# Altium PCB STM32_PLC.PcbDoc (part 1 of 3)
Units mm, origin at the board's own origin, x right, y up, seen from the top; angles counter-clockwise.
Board outline 150 x 150 mm, 4 copper layers ([L1] TOP, [L2] GND, [L3] POWER, [L4] BOTTOM), stack 1.58 mm thick; 307 components, 251 nets, 964 pads, 318 vias.
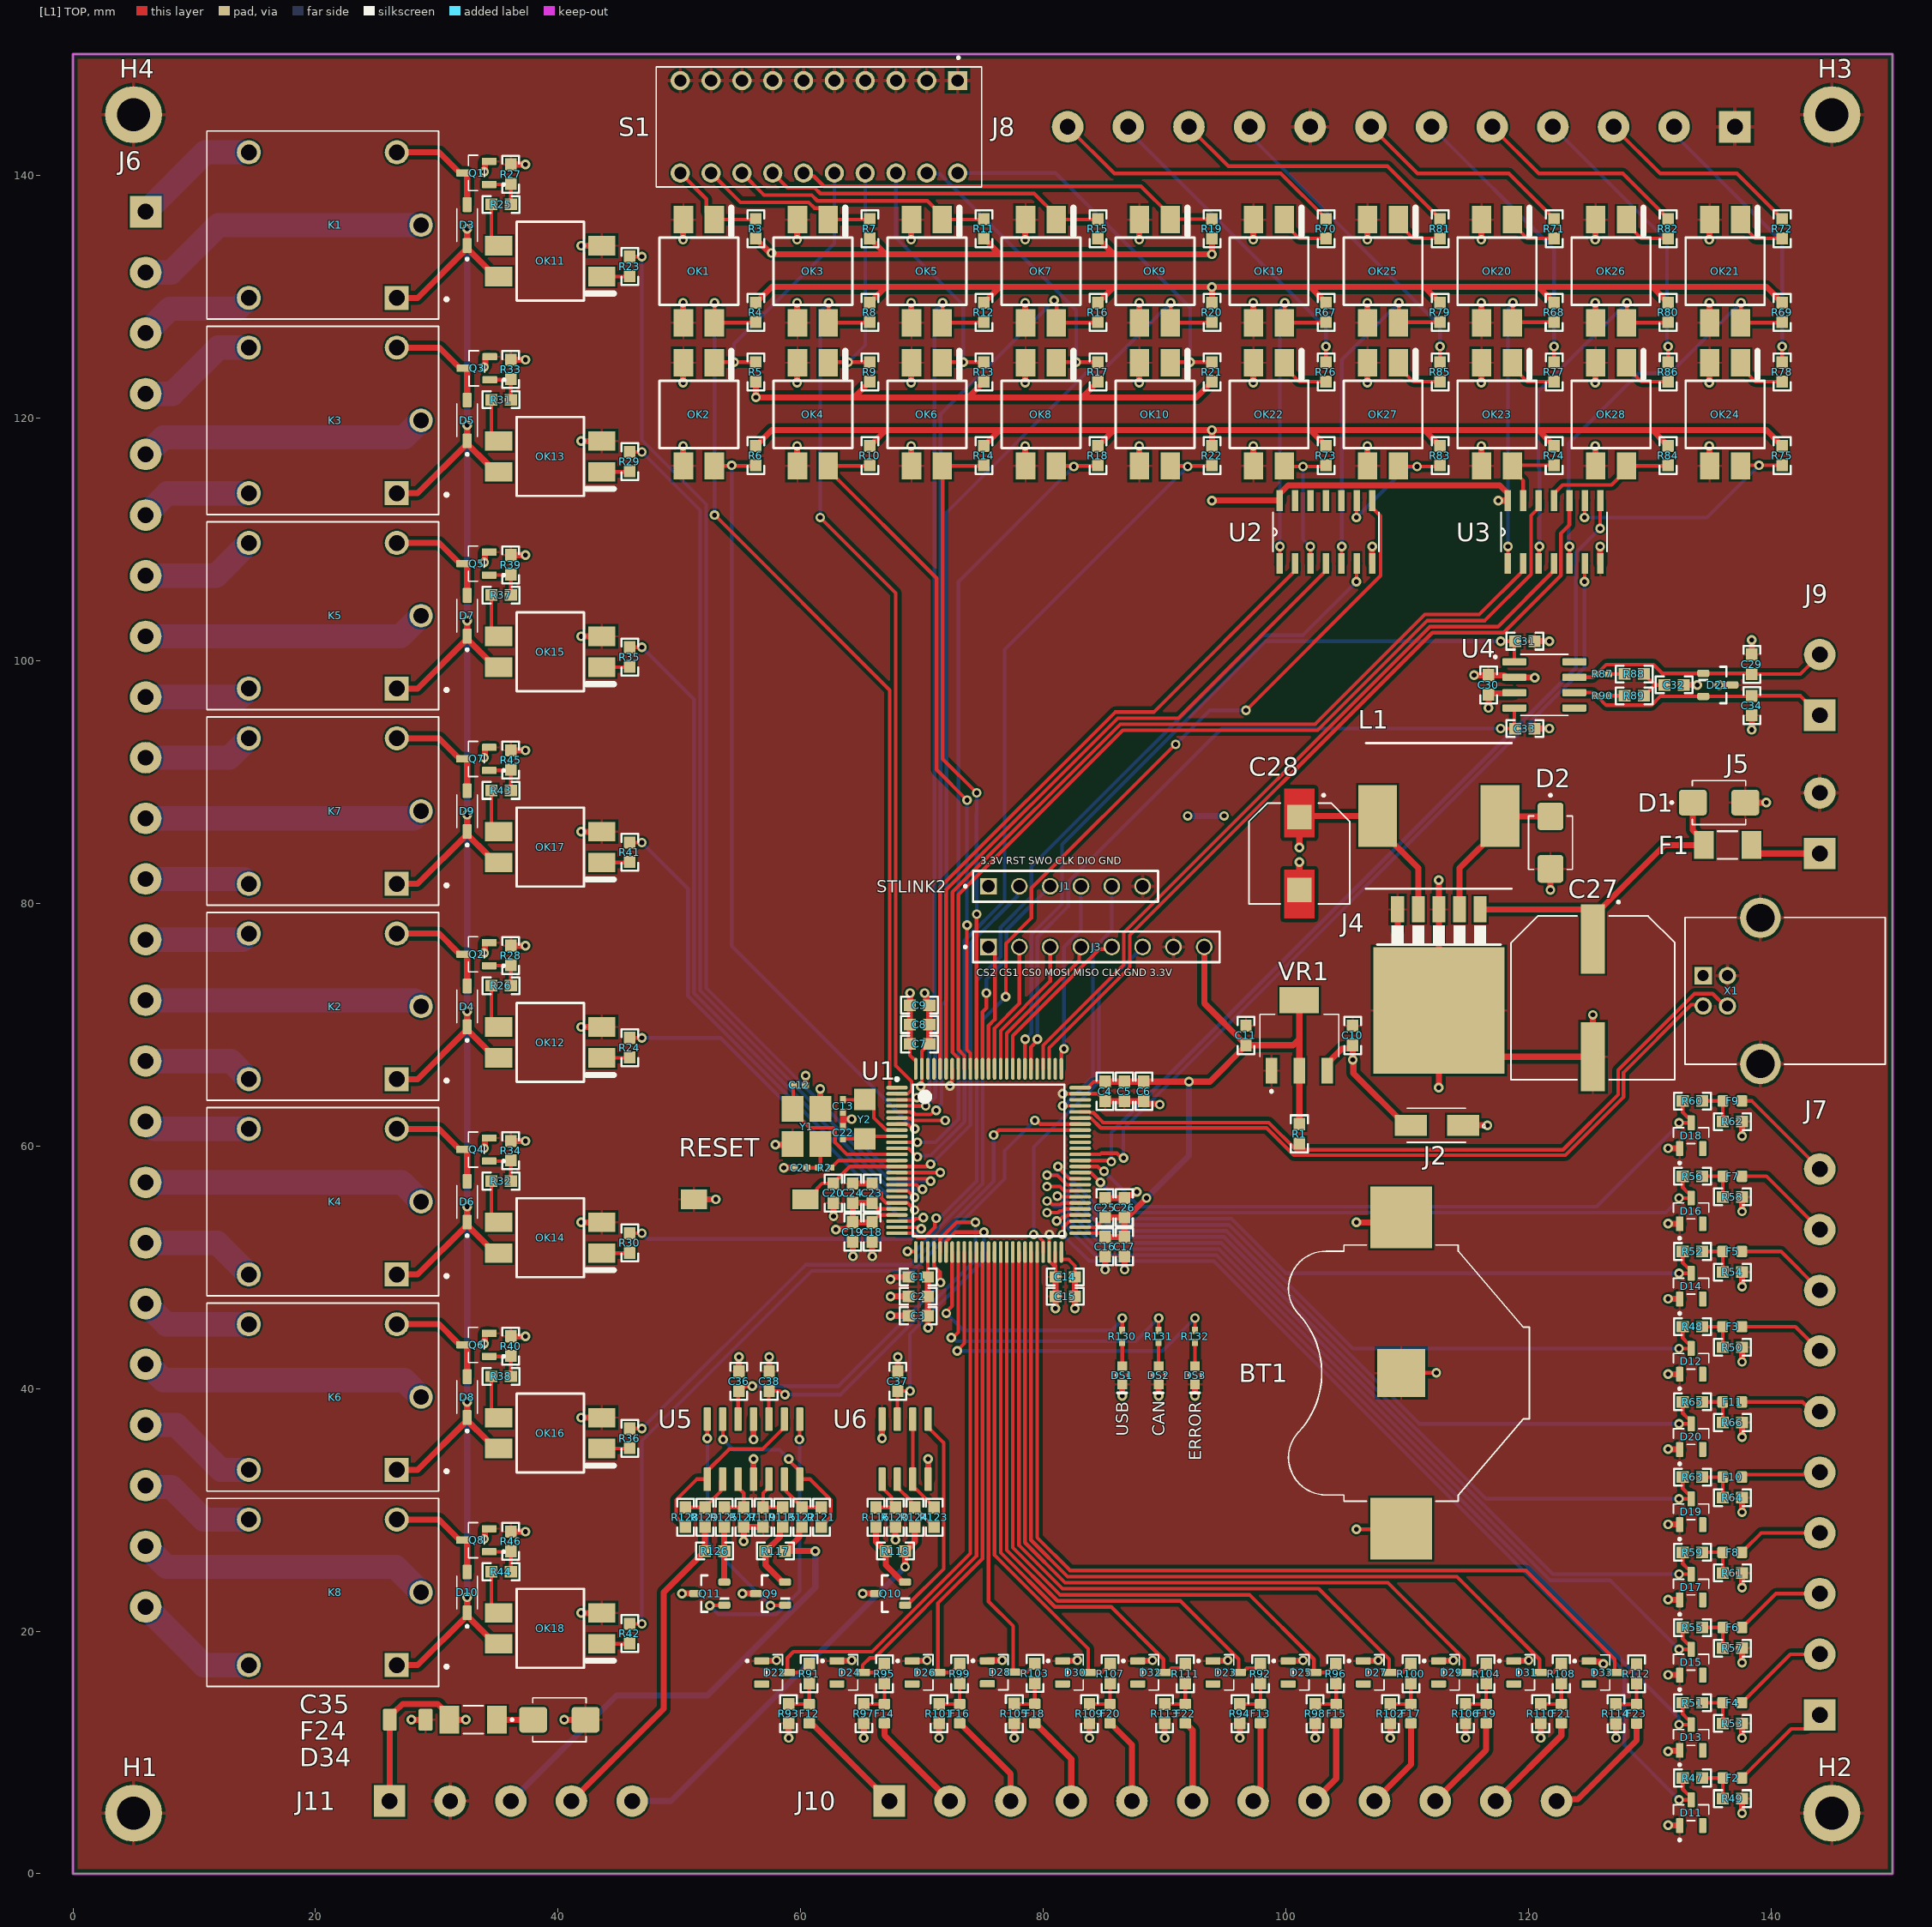
[diagram p0: [L1] TOP view]
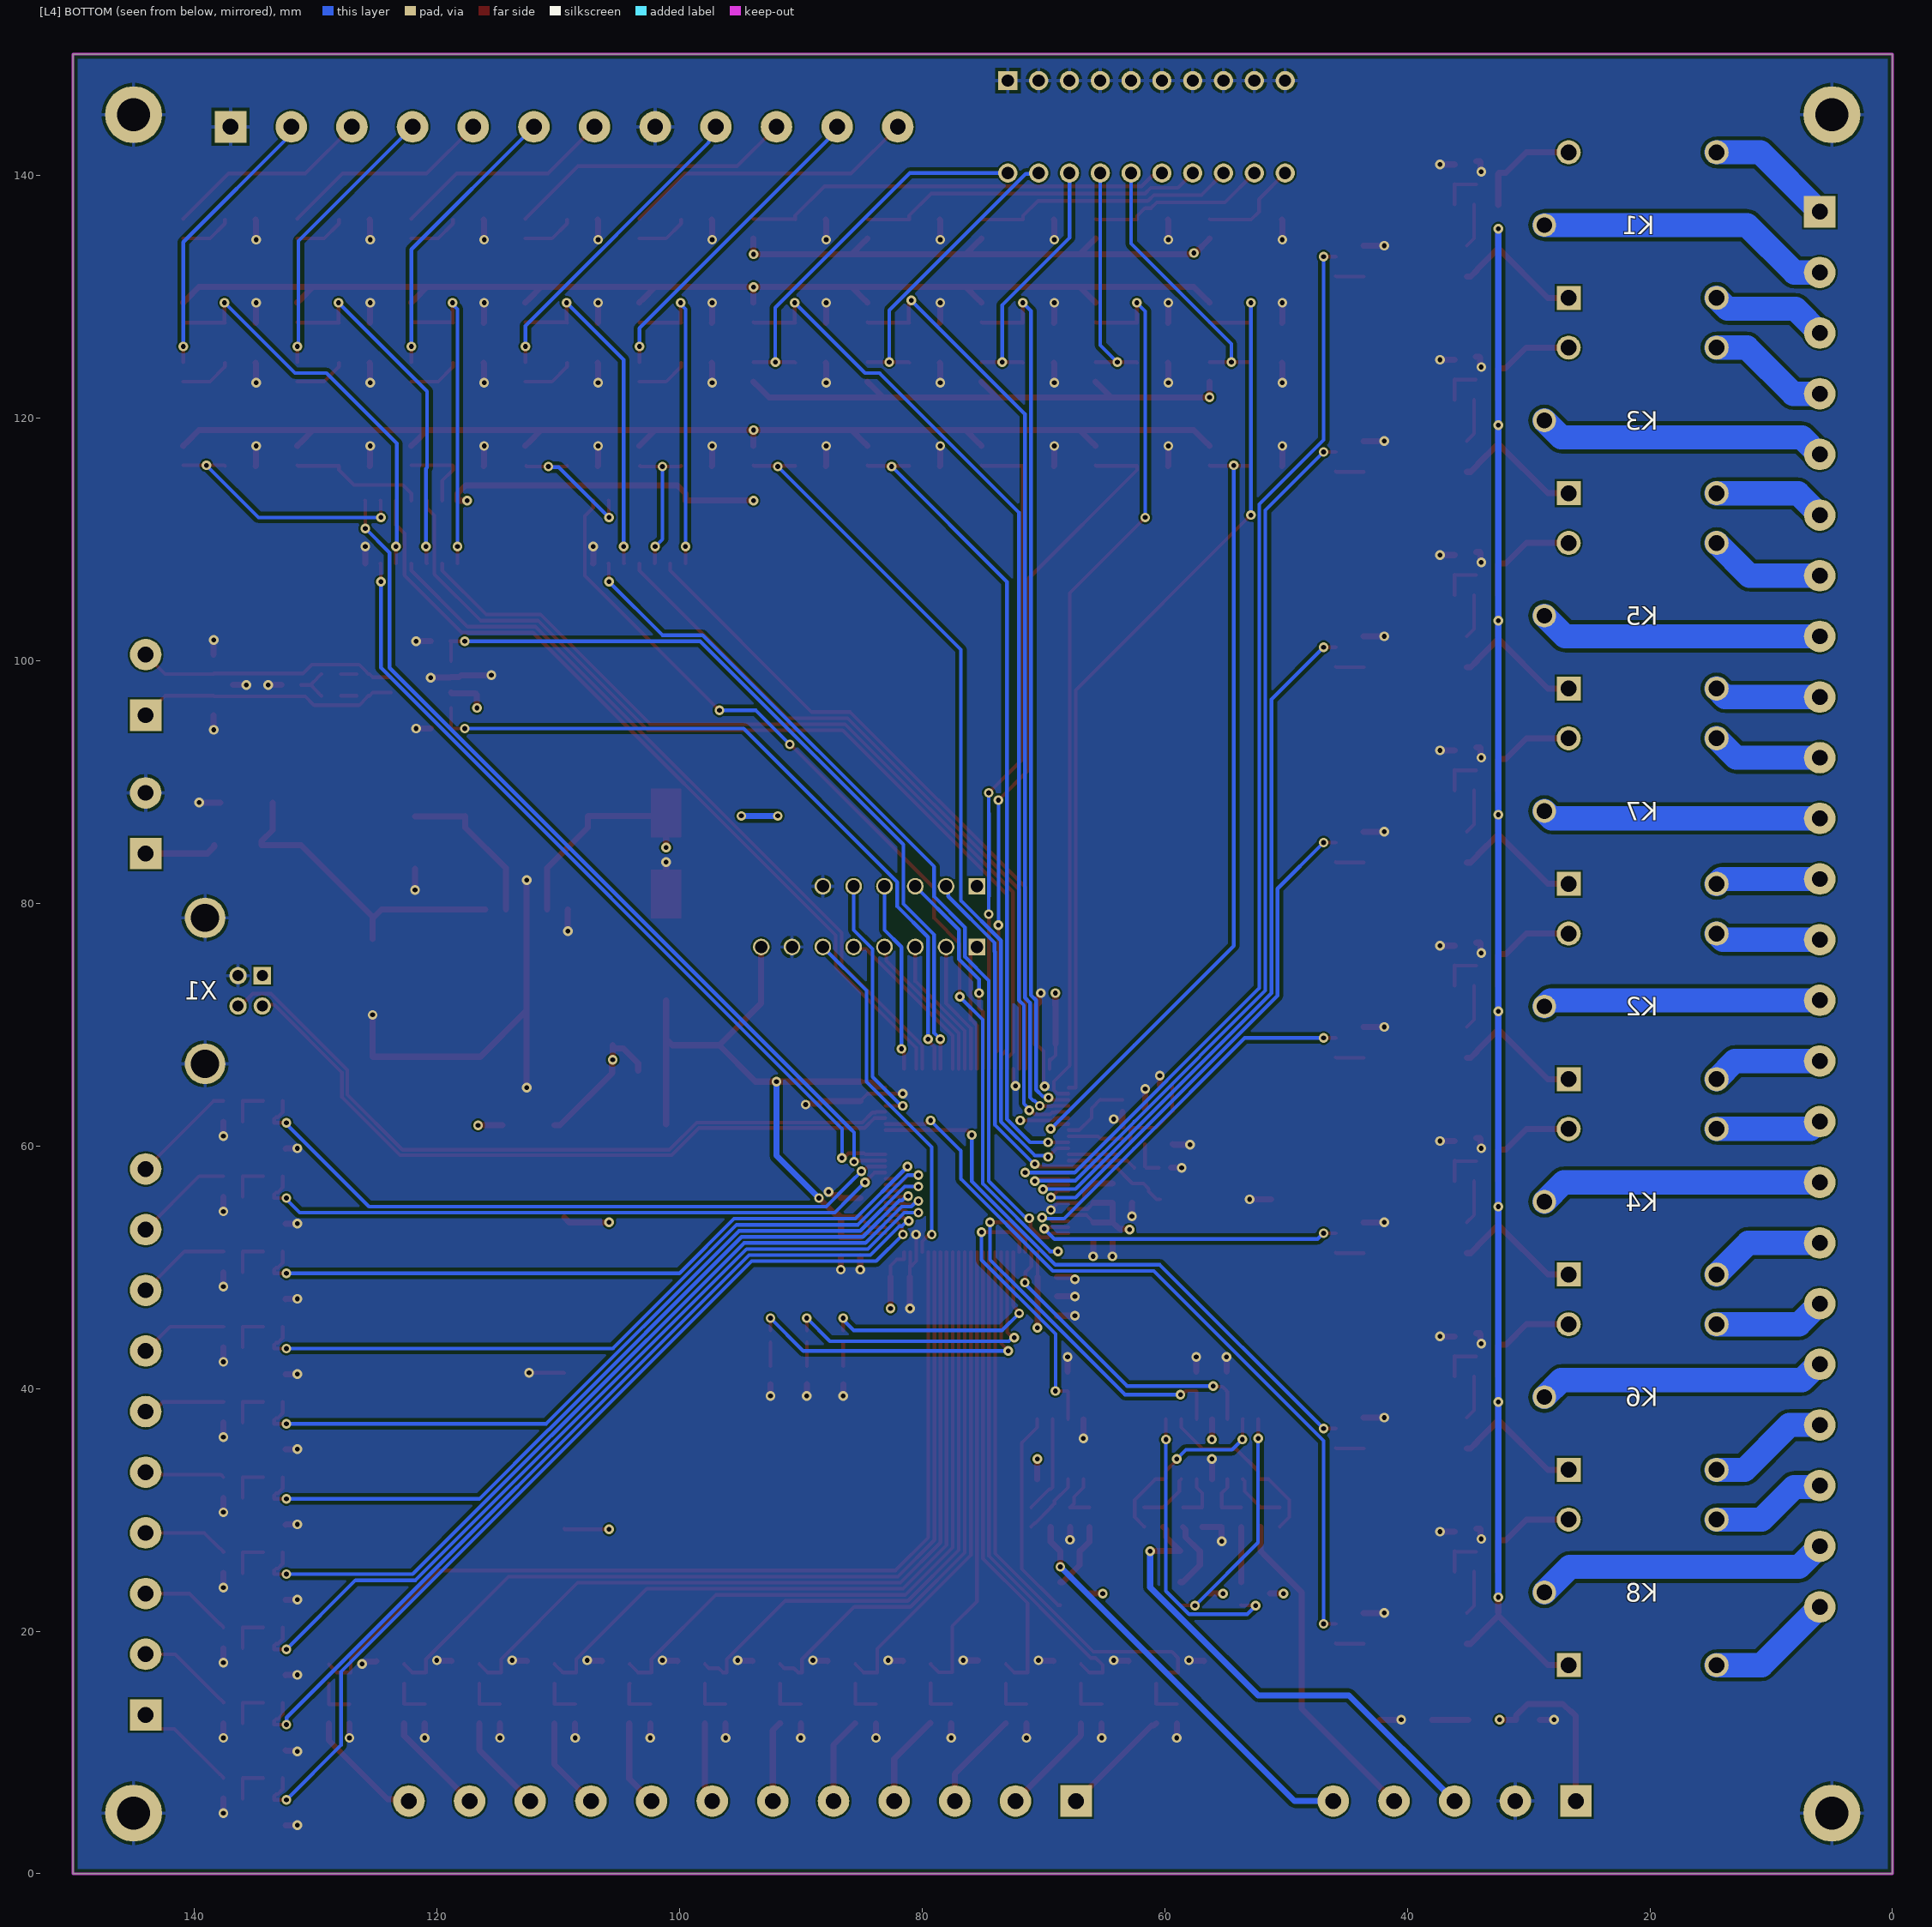
[diagram p1: [L4] BOTTOM view, seen from below]
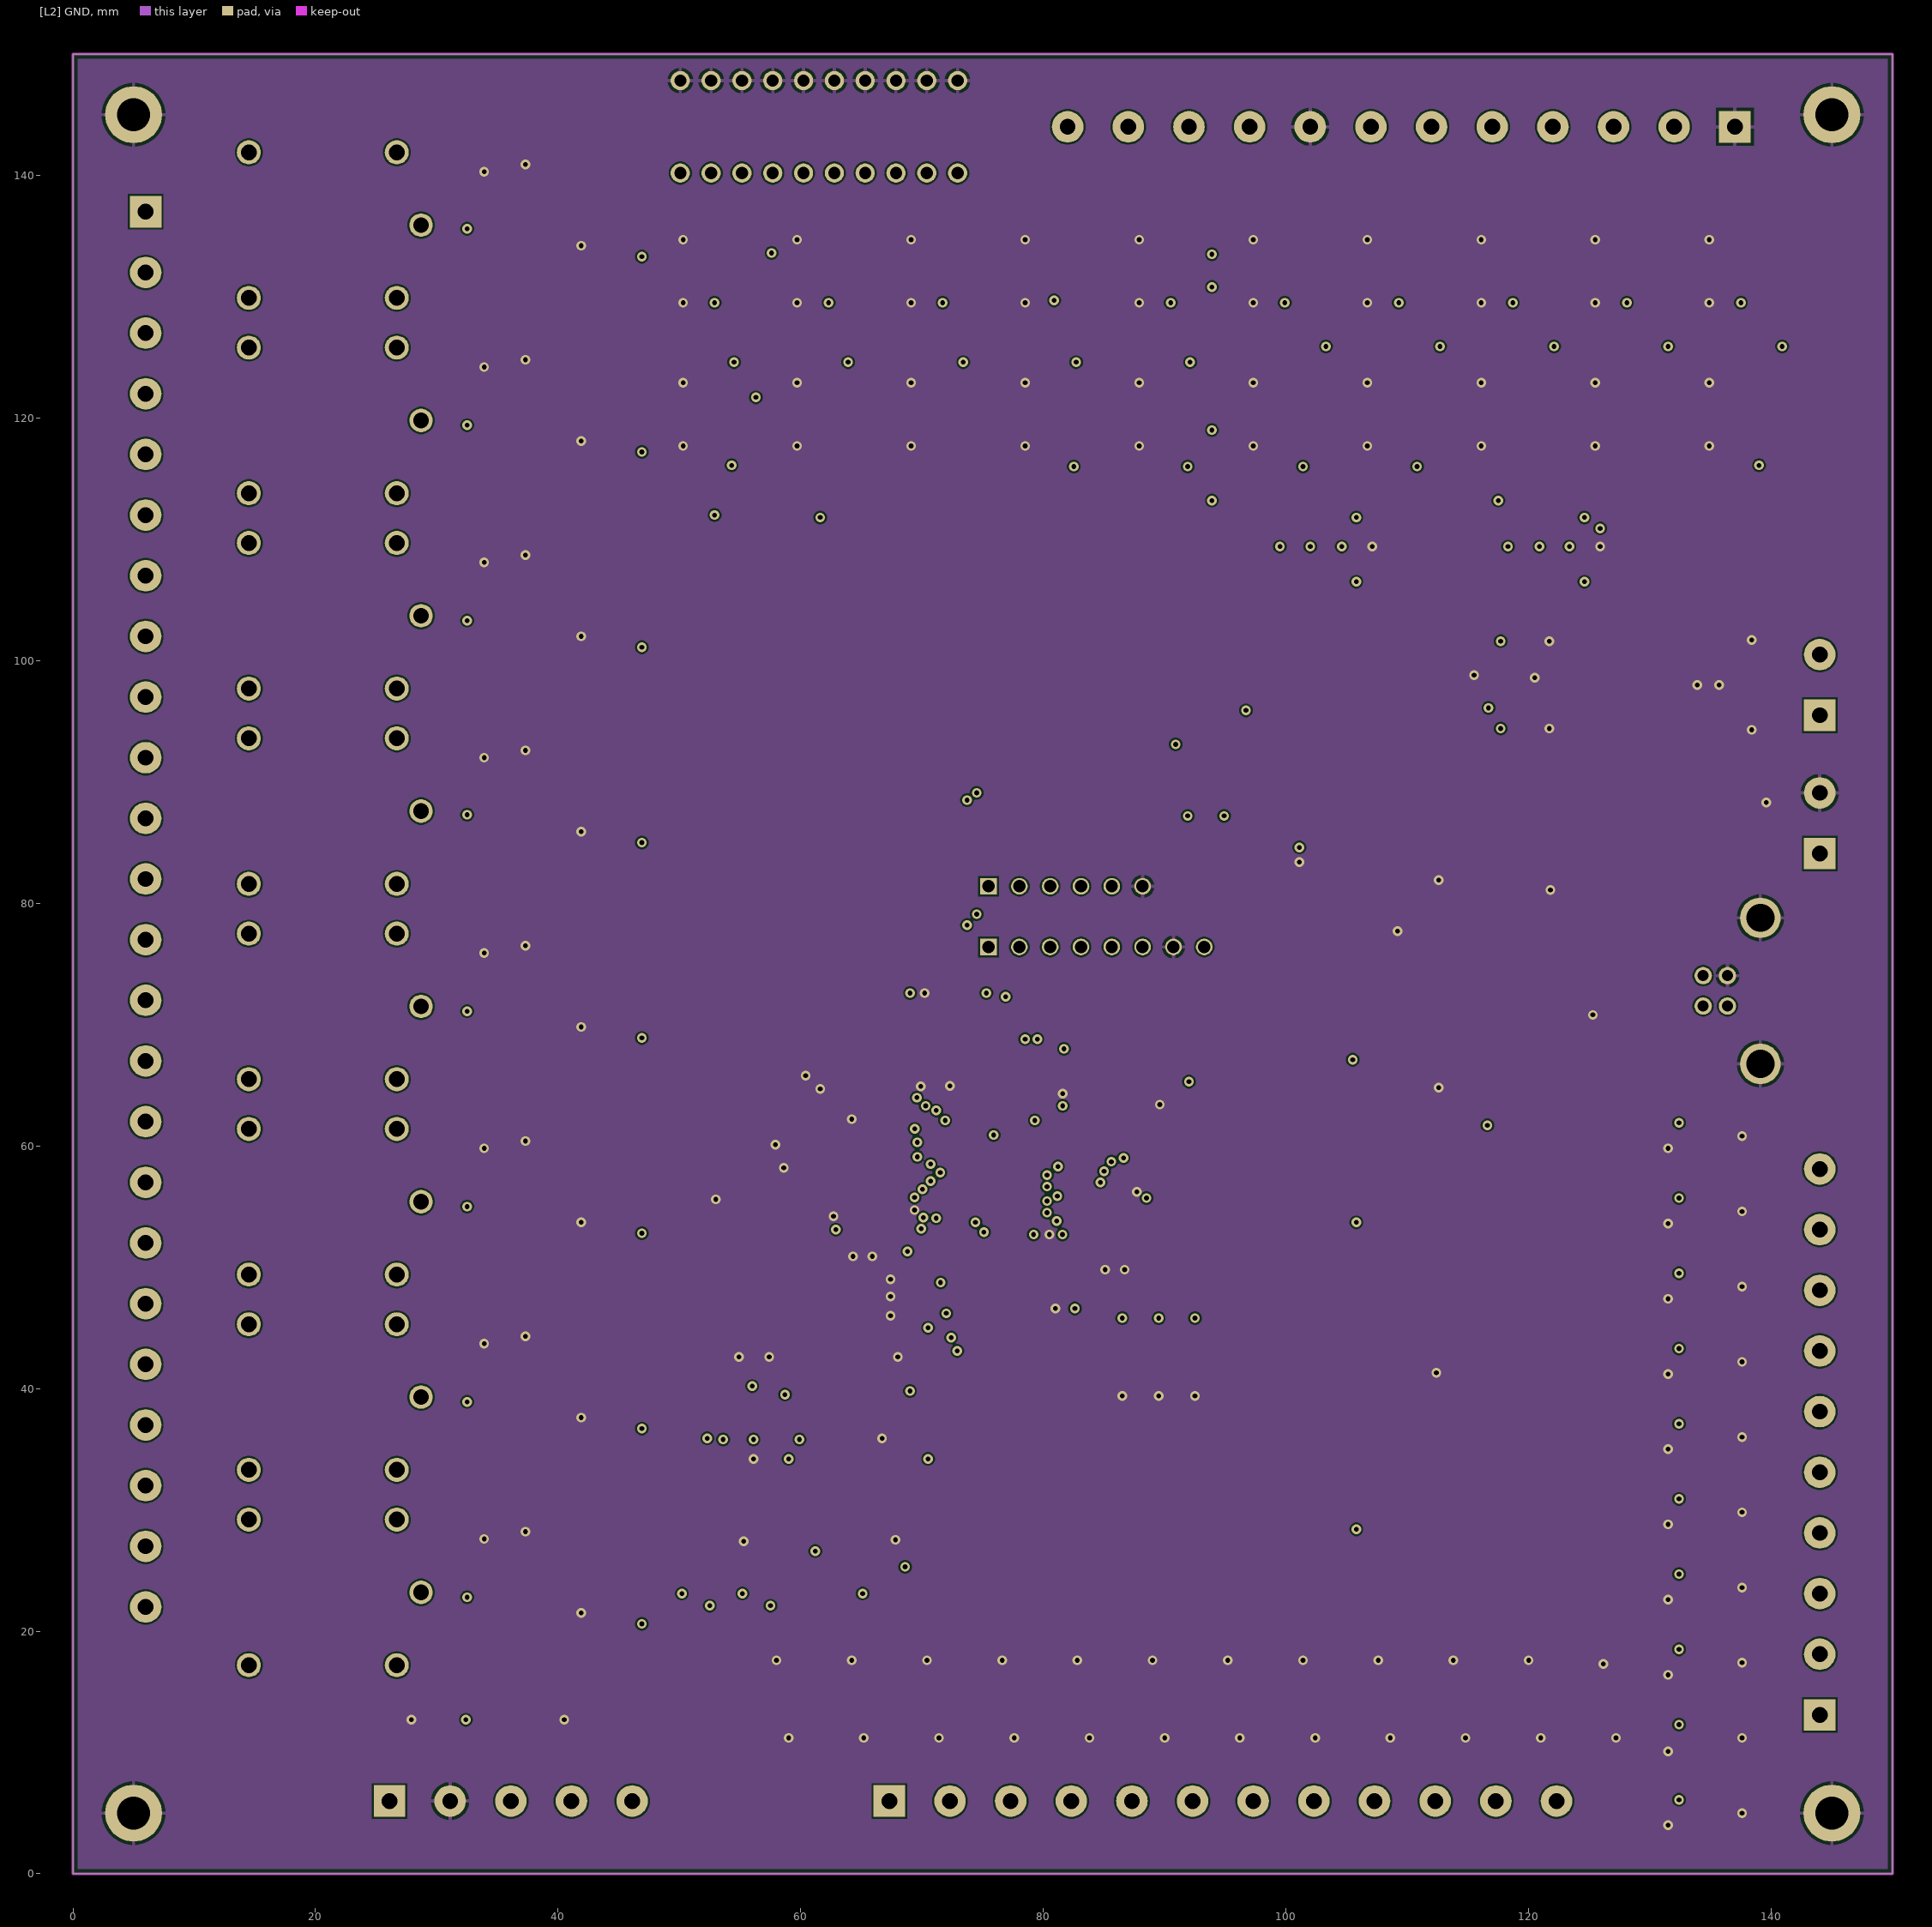
[diagram p2: [L2] GND]
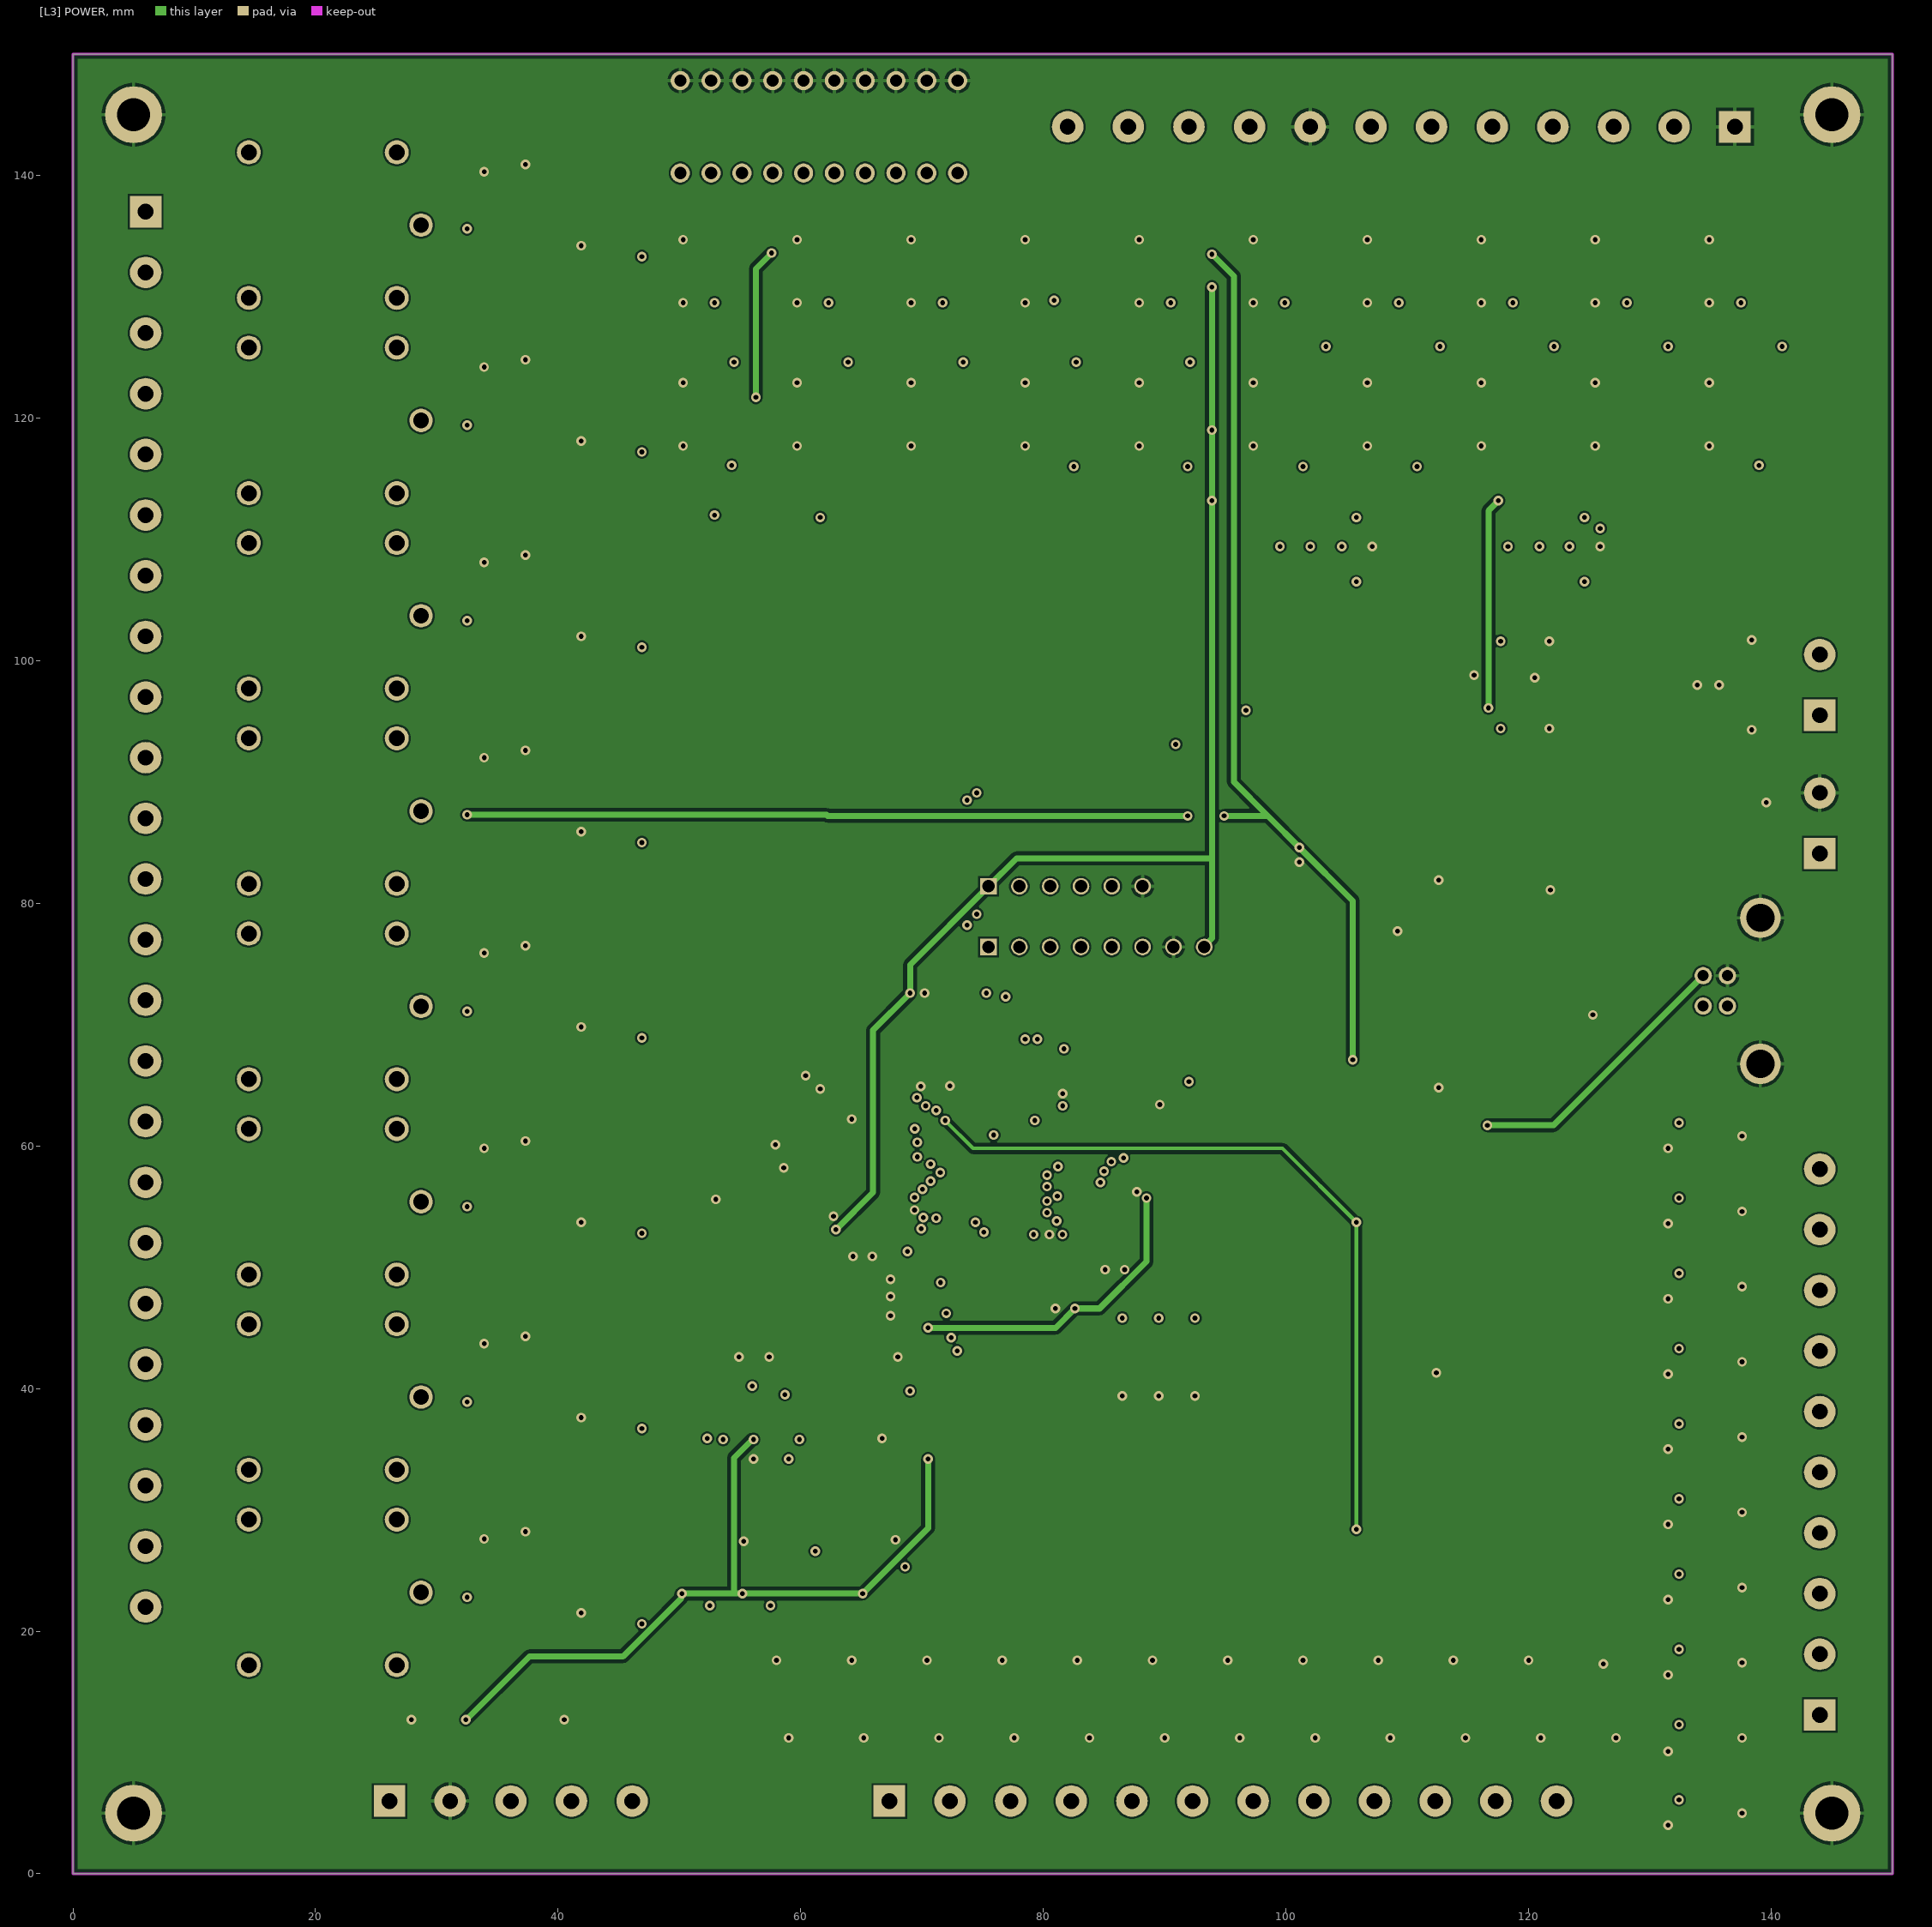
[diagram p3: [L3] POWER]

## Layer stack, top to bottom
Top Solder: solder mask 0.01, Solder Resist, Dk 3.3
[L1] TOP: signal copper 0.035
Dielectric 1: core 0.48, FR-4, Dk 4.5
[L2] GND: signal copper 0.035
Dielectric 2: prepreg 0.48, FR-4, Dk 4.5
[L3] POWER: signal copper 0.035
Dielectric 3: core 0.48, FR-4, Dk 4.5
[L4] BOTTOM: signal copper 0.035
Bottom Solder: solder mask 0.01, Solder Resist, Dk 3.3

## Board outline
0,0 0,150 150,150 150,0
